# Allegro board PCIe3_0_X16_V1_0-166-20240802_20240828_pcb.brd (continued)
## Routing (per net, layer and track width the routed paths; a pad name or vN(x,y) marks a point on that pad's centre or on a via; arc(x,y) is an arc through that point) (continued)
  BOTTOM w0.203: v1(182.76,49.27) 183.12,48.91 R235.1
N17208468: length 1.8
  TOP w0.203: v1(182.76,30.22) 182.92,29.84 182.97,29.79 U27.5
  BOTTOM w0.254: R256.1 183.12,29.86 v1(182.76,30.22)
N17209058: length 1.8
  TOP w0.203: v1(201.14,37.51) 200.76,37.35 200.71,37.3 U26.5
  BOTTOM w0.254: v1(201.14,37.51) 200.78,37.15 R246.1
N17209416: length 1.7
  TOP w0.203: v1(201.14,68.89) 200.76,68.73 200.71,68.68 U29.5
  BOTTOM w0.254: R271.1 v1(201.14,68.89)
N17212197: length 3.9
  TOP w0.127: U1.C22 v1(91.32,66.23)
  BOTTOM w0.127: v1(91.32,66.23) 90.85,65.76 89.06,65.76 88.61,66.22 R34.1
N17212244: length 3.5
  TOP w0.127: U1.A27 v1(89.32,71.23)
  BOTTOM w0.127: v1(89.32,71.23) 89.8,71.7 91.81,71.7 R36.1
N17212562: length 2.1
  TOP w0.127: U1.L28 v1(99.32,72.23)
  BOTTOM w0.127: R43.1 98.72,71.62 v1(99.32,72.23)
N17212633: length 2.6
  TOP w0.127: U1.AF10 v1(115.32,53.23)
  BOTTOM w0.127: R58.1 116.83,53.75 115.84,53.75 v1(115.32,53.23)
N17212665: length 2
  TOP w0.127: U1.AG13 v1(116.32,56.23)
  BOTTOM w0.127: R60.1 115.59,56.23 v1(116.32,56.23)
N17212971: length 5
  TOP w0.127: U1.AJ18 v1(118.32,61.23)
  BOTTOM w0.127: R67.1 118.43,64.2 118.82,63.8 118.82,61.73 v1(118.32,61.23)
N17214535: length 2.1
  TOP w0.381: R301.2 174.31,108.03 Q4.3
N17215610: length 1.5
  TOP w0.127: U1.AJ28 v1(118.32,72.23)
  BOTTOM w0.127: R21.1 117.84,72.71 v1(118.32,72.23)
N17215747: length 1.5
  TOP w0.127: U3.3 R23.1
N17215756: length 4.6
  TOP w0.381: L3.1 C4.1 U3.4 116.22,90.87 R22.2
N17215758: length 1.8
  TOP w0.381: R22.1 116.31,89.43 U3.1
N17216836: length 2.4
  BOTTOM w0.305: U30.3 101.01,91.47 100.7,91.77 R273.2
N17239270: length 2.1
  BOTTOM w0.305: R109.1 R110.1 C154.2
N17239503: length 2.1
  BOTTOM w0.305: R151.1 R152.1 C243.2
N17243696: length 2.9
  TOP w0.127: U1.K15 v1(98.32,59.23)
  BOTTOM w0.127: v1(98.32,59.23) 97.76,59.78 97.26,60 96.71,60.54 R55.2
N17278385: length 2
  TOP w0.127: U1.D13 v1(93.32,56.23)
  BOTTOM w0.127: TP16.1 93.15,56.23 v1(93.32,56.23)
N17278388: length 1.8
  TOP w0.127: U1.D14 v1(92.32,58.23)
  BOTTOM w0.127: TP17.1 92.54,58.01 v1(92.32,58.23)
N17278391: length 2.2
  TOP w0.127: U1.D16 v1(92.32,59.23)
  BOTTOM w0.127: v1(92.32,59.23) 93.34,60.25 TP18.1
N17278416: length 3.1
  TOP w0.127: U1.C16 v1(91.32,59.23)
  BOTTOM w0.127: v1(91.32,59.23) 91.8,58.75 92.91,58.75 TP19.1
N17278419: length 1.6
  TOP w0.127: U1.B15 v1(90.32,58.23)
  BOTTOM w0.127: TP20.1 90.23,58.32 v1(90.32,58.23)
N17278433: length 1.5
  TOP w0.127: U1.J16 v1(98.32,60.23)
  BOTTOM w0.127: TP22.1 98.02,60.53 v1(98.32,60.23)
N17278487: length 3.9
  TOP w0.127: U1.B14 v1(90.32,57.23)
  BOTTOM w0.127: v1(90.32,57.23) 89.89,57.23 88.27,58.85 TP21.1
N17366227: length 63.1
  TOP w0.102: U23.14 105.3,98.72 105.4,98.63 105.7,98.63 105.97,98.35 105.97,97.21 106.07,97.1 106.3,97.1 106.4,97.21 v1(106.4,97.43)
  ART12 w0.084: v1(106.4,97.43) 106.74,97.09 107.73,97.09 112.5,92.33 120.02,92.33 120.42,91.92 125.57,91.92 126.2,92.19 130.24,92.19 130.65,92.6 131.45,92.6 v1(131.5,92.55)
  BOTTOM w0.102: C370.1 129.12,64.09 129.85,64.09 131.69,64.85 132.78,65.94 132.78,91.89 132.47,92.2 131.6,92.2 131.5,92.3 v1(131.5,92.55)
N17366241: length 63.1
  TOP w0.102: v1(106.4,96.55) 106.4,96.71 106.3,96.81 105.95,96.81 105.68,97.08 105.68,98.23 105.57,98.33 105.43,98.33 105.32,98.22 U23.13
  ART12 w0.084: v1(131.5,91.66) 131.27,91.66 131.26,91.65 130.65,91.65 130.46,91.84 126.27,91.84 125.63,91.58 120.28,91.58 119.87,91.98 112.35,91.98 108.99,95.35 108.87,95.35 108.75,95.23 108.63,95.23 108.52,95.34 108.52,95.46 108.64,95.58 108.64,95.7 108.52,95.82 108.4,95.82 108.28,95.7 108.16,95.7 108.04,95.82 108.04,95.94 108.16,96.06 108.16,96.18 108.04,96.29 107.92,96.29 107.8,96.17 107.69,96.17 107.57,96.29 107.57,96.41 107.69,96.53 107.69,96.65 107.59,96.75 106.6,96.75 v1(106.4,96.55)
  BOTTOM w0.102: v1(131.5,91.66) 131.75,91.91 132.35,91.91 132.49,91.77 132.49,66.07 131.53,65.1 129.79,64.38 129.1,64.38 C371.1

## Copper pours and planes (outline as drawn; the poured copper is in the pictures)
GND on TOP (solid shape): 17.45,103.21 17.45,101.72 17.12,101.39 12.83,101.39 12.52,101.69 12.52,103.16 12.62,103.27 17.4,103.27
GND on TOP (solid shape): 69.17,33.12 69.17,31.93 69.07,31.83 67.37,31.83 67.27,31.93 67.27,33.17 67.37,33.27 69.02,33.27
GND on TOP (solid shape): 78.34,33.07 78.34,31.93 78.22,31.8 76.82,31.8 76.75,31.87 76.75,33.13 76.82,33.2 78.22,33.2
GND on TOP (solid shape): 81.82,24.49 81.82,23.28 81.67,23.12 76.81,23.12 76.59,23.34 76.59,24.41 76.74,24.56 81.75,24.56
GND on TOP (solid shape): 84.39,30.35 84.39,29.39 84.29,29.29 82.61,29.29 82.51,29.39 82.51,30.4 82.56,30.45 84.29,30.45
GND on TOP (solid shape): 85.39,27.29 85.39,23.65 85.32,23.57 83.82,23.57 83.73,23.66 83.73,27.28 83.81,27.36 85.33,27.36
GND on TOP (solid shape): 89.75,25.98 89.75,22.94 89.6,22.78 88.73,22.78 88.63,22.89 88.63,25.92 88.85,26.14 89.6,26.14
GND on TOP (solid shape): 90.21,28.85 90.21,27.76 89.95,27.51 88.73,27.51 88.61,27.64 88.61,28.93 88.68,29.01 90.05,29.01
GND on TOP (solid shape): 138.67,100.89 138.67,99.49 138.54,99.36 135.49,99.36 135.37,99.49 135.37,100.89 135.49,101.02 138.54,101.02
GND on TOP (solid shape): 168,106.77 168,104.23 167.82,104.05 165.66,104.05 165.58,104.13 165.58,106.77 165.68,106.87 167.89,106.87
GND on TOP (solid shape): 176.76,108.45 176.76,106.72 176.61,106.57 175.39,106.57 175.31,106.64 175.31,108.45 175.46,108.6 176.61,108.6
GND on TOP (solid shape): 184.26,101.22 184.44,101.22 184.56,101.11 184.56,99.33 184.51,99.28 182.85,99.28 182.65,99.48 182.65,101.16 182.73,101.23 184.25,101.23
GND on TOP (solid shape): 49.91,76.34 49.91,74.41 49.86,74.36 48.79,74.36 48.55,74.6 44.54,74.6 44.27,74.87 44.27,76.52 44.42,76.67 49.58,76.67
GND on TOP (solid shape): 49.91,62.09 49.91,60.16 49.86,60.11 48.79,60.11 48.55,60.35 44.54,60.35 44.27,60.62 44.27,62.27 44.42,62.42 49.58,62.42
GND on TOP (solid shape): 49.91,47.84 49.91,45.91 49.86,45.86 48.79,45.86 48.55,46.1 44.54,46.1 44.27,46.37 44.27,48.02 44.42,48.17 49.58,48.17
GND on TOP (solid shape): 49.91,33.88 49.91,31.66 49.86,31.61 48.79,31.61 48.55,31.85 44.54,31.85 44.53,31.86 44.01,31.86 43.87,32 43.87,33.96 44.02,34.11 49.68,34.11
GND on TOP (solid shape): 80.02,32.86 80.02,27.25 79.91,27.14 78.57,27.14 78.28,27.44 78.28,30.03 78.64,30.39 78.64,32.94 78.79,33.1 79.78,33.1
GND on TOP (solid shape): 50.34,40.86 50.34,38.42 50.18,38.25 45.43,38.25 45.31,38.37 45.31,39.84 45.54,40.07 48.13,40.07 48.25,40.18 50.06,40.18 50.06,40.56 49.58,40.56 49.58,40.18 48.25,40.18 48.36,40.3 48.36,40.83 48.51,40.98 50.22,40.98
GND on TOP (solid shape): 134.67,30.67 134.67,27.34 134.86,27.15 135.3,27.15 135.52,26.92 135.52,25.88 135.45,25.81 131.88,25.81 131.67,26.01 131.67,26.19 135.13,26.19 135.13,26.57 134.77,26.57 134.77,26.19 131.67,26.19 131.67,30.66 131.83,30.81 134.53,30.81
GND on TOP (solid shape): 50.34,69.36 50.34,66.92 50.14,66.72 45.36,66.72 45.24,66.84 45.24,68.32 45.49,68.57 48.13,68.57 48.22,68.66 50.09,68.66 50.09,69.04 49.68,69.04 49.68,68.66 48.22,68.66 48.36,68.8 48.36,69.33 48.51,69.48 50.22,69.48
GND on TOP (solid shape): 50.34,55.11 50.34,52.67 50.14,52.47 45.44,52.47 45.31,52.59 45.31,53.99 45.64,54.32 48.13,54.32 48.22,54.41 50.04,54.41 50.04,54.79 49.63,54.79 49.63,54.41 48.22,54.41 48.36,54.55 48.36,55.08 48.51,55.23 50.22,55.23
GND on TOP (solid shape): 140.7,106.76 140.7,105.46 140.57,105.33 134.61,105.33 134.48,105.46 133.84,105.46 133.54,105.16 133.54,102.11 133.59,102.06 133.59,99.36 133.46,99.24 132.07,99.24 131.89,99.42 131.89,99.77 133.17,99.77 133.17,100.05 132.92,100.05 132.92,99.77 131.89,99.77 131.89,100.79 133.22,100.79 133.22,101.04 132.94,101.04 132.94,100.79 131.89,100.79 131.89,105.92 132.59,105.92 132.59,106.27 132.26,106.27 132.26,105.92 131.89,105.92 131.89,106.67 132.28,107.06 140.4,107.06
GND on TOP (solid shape): 186.54,66.57 186.54,56.85 186.21,56.52 184.31,56.52 184.18,56.64 184.18,60.86 184.38,61.07 185.6,61.07 185.81,61.27 185.81,63.02 185.43,63.39 179.23,63.39 178.74,62.91 178.74,60.25 178.51,60.02 175.49,60.02 175.29,59.82 175.29,57.28 175.09,57.08 168.63,57.08 168.43,57.28 168.43,59 168.88,59.45 168.88,60.48 177.16,60.48 177.16,60.78 176.83,60.78 176.83,60.48 168.88,60.48 168.88,62.08 168.43,62.53 168.43,66.21 168.91,66.69 186.42,66.69
GND on TOP (solid shape): 87.92,104.72 87.92,103.23 87.93,103.21 87.93,103.14 88.07,103 88.5,103 88.68,102.82 88.68,97.13 88.66,97.1 87.82,97.1 87.39,97.54 88.36,97.54 88.36,97.84 88.08,97.84 88.08,97.54 87.39,97.54 86.9,98.02 88.39,98.02 88.39,98.4 88.11,98.4 88.11,98.02 86.9,98.02 86.76,98.16 82.53,98.16 82.27,98.42 82.27,99.01 88.41,99.01 88.41,99.42 88.06,99.42 88.06,99.01 82.27,99.01 82.27,100.05 88.36,100.05 88.36,100.38 88.01,100.38 88.01,100.05 82.27,100.05 82.27,104.52 82.52,104.78 87.87,104.78
GND on TOP (solid shape): 50.34,26.61 50.34,25.5 50.85,24.99 50.85,24.97 51.1,24.71 51.1,22.4 52.2,21.31 52.2,21.28 52.19,21.26 52.15,20.99 52.27,20.74 52.27,19.82 52.14,19.5 52.27,19.18 52.27,17.81 52.1,17.63 50.55,17.63 50.42,17.75 50.42,20.8 49.53,21.69 45.64,21.69 45.34,22 45.34,25.62 45.54,25.82 48.13,25.82 48.36,26.05 48.36,26.58 48.51,26.73 50.22,26.73
GND on TOP (solid shape): 51.46,78.83 0.97,78.83 0.97,98.92 34.49,98.92 34.49,80.53 34.85,80.18 37.46,80.18 37.5,80.16 37.59,80.12 37.68,80.1 37.78,80.08 37.88,80.07 37.97,80.06 38.07,80.07 38.17,80.08 38.26,80.1 38.35,80.12 38.44,80.16 38.49,80.18 49.14,80.18 49.14,81.58 50.54,81.58 50.54,97.78 49.24,97.78 49.24,99.18 49.14,99.18 49.14,99.19 49.08,99.18 38.51,99.18 38.47,99.2 38.37,99.24 38.27,99.27 38.17,99.29 38.07,99.3 37.97,99.3 37.87,99.3 37.77,99.29 37.67,99.27 37.57,99.24 37.48,99.2 37.43,99.18 34.75,99.18 34.49,98.92 0.97,98.92 0.97,100.71 1.02,100.75 51.46,100.75
GND on TOP (solid shape): 186.54,47.4 186.54,37.67 186.21,37.34 184.31,37.34 184.18,37.47 184.18,41.69 184.38,41.89 185.6,41.89 185.81,42.09 185.81,43.84 185.43,44.21 178.91,44.21 178.52,43.82 178.52,43.12 178.16,42.67 178.52,42.23 178.52,40.9 178.5,40.88 178.5,40.73 178.49,40.72 177.77,40.72 177.57,40.92 175.57,40.92 175.29,40.64 175.29,38.1 175.09,37.9 172.83,37.9 172.55,38.18 172.55,46.07 173.99,47.52 186.42,47.52
GND on TOP (solid shape): 99.35,104.72 99.35,103.23 99.36,103.21 99.36,103.14 99.5,103 99.93,103 100.11,102.82 100.11,97.13 100.09,97.1 99.25,97.1 98.89,97.47 98.89,97.54 99.8,97.54 99.8,97.87 99.49,97.87 99.49,97.54 98.89,97.54 98.89,97.91 98.58,98.22 97.23,98.22 96.9,98.55 99.8,98.55 99.8,98.86 99.52,98.86 99.52,98.55 96.9,98.55 96.81,98.64 96.81,99.57 99.8,99.57 99.8,99.82 99.54,99.82 99.54,99.57 96.81,99.57 96.81,100.56 99.8,100.56 99.8,100.89 99.47,100.89 99.47,100.56 96.81,100.56 96.81,101.6 99.82,101.6 99.82,101.93 99.47,101.93 99.47,101.6 96.81,101.6 96.81,104.7 96.89,104.78 99.3,104.78
GND on TOP (solid shape): 199.39,46.27 199.39,33.85 199.27,33.73 189.54,33.73 189.21,34.06 189.21,35.96 189.34,36.09 193.55,36.09 193.76,35.89 193.76,34.66 193.96,34.46 195.71,34.46 196.08,34.84 196.08,41.36 195.69,41.75 194.65,41.75 194.65,41.78 194.63,41.85 194.61,41.9 194.58,41.96 194.54,42.01 194.5,42.05 194.45,42.09 194.39,42.12 194.34,42.15 194.28,42.16 194.21,42.17 194.15,42.17 194.09,42.16 194.03,42.15 193.97,42.12 193.92,42.09 193.87,42.05 193.82,42.01 193.79,41.96 193.76,41.9 193.73,41.85 193.72,41.78 193.72,41.75 192.76,41.75 192.71,41.8 192.71,43.63 193.43,43.63 193.43,43.91 193.13,43.91 193.13,43.63 192.71,43.63 192.71,44.78 192.51,44.98 189.97,44.98 189.77,45.18 189.77,47.44 190.05,47.72 197.94,47.72
GND on TOP (solid shape): 186.54,28.35 186.54,18.12 186.31,17.89 184.38,17.89 184.18,18.09 184.18,22.64 184.38,22.84 185.6,22.84 185.81,23.04 185.81,24.79 185.43,25.16 178.91,25.16 178.52,24.77 178.52,24.08 178.49,24.08 178.43,24.06 178.37,24.03 178.33,23.99 178.28,23.95 178.24,23.91 178.21,23.86 178.18,23.8 178.16,23.74 178.15,23.68 178.15,23.62 178.15,23.56 178.16,23.5 178.18,23.45 178.21,23.39 178.24,23.34 178.28,23.29 178.33,23.25 178.37,23.22 178.43,23.19 178.49,23.17 178.52,23.16 178.52,21.85 178.46,21.79 175.49,21.79 175.29,21.59 175.29,19.05 175.09,18.85 172.83,18.85 172.55,19.13 172.55,22.26 177.19,22.26 177.19,22.56 176.84,22.56 176.84,22.26 172.55,22.26 172.55,27.02 173.99,28.47 186.42,28.47
GND on TOP (solid shape): 186.54,88.93 186.54,78.85 186.28,78.59 184.25,78.59 184.18,78.66 184.18,83.21 184.38,83.42 185.6,83.42 185.81,83.62 185.81,85.37 185.43,85.74 179.23,85.74 178.82,85.34 178.82,82.55 178.64,82.37 175.49,82.37 175.29,82.17 175.29,78.94 174.78,78.42 166.42,78.42 166.34,78.5 166.34,80.61 166.55,80.81 168.33,80.81 168.88,81.37 168.88,82.78 178.49,82.78 178.49,83.08 178.05,83.08 178.05,82.78 176.66,82.78 176.66,83.16 176.2,83.16 176.2,82.78 168.88,82.78 168.88,83.77 178.44,83.77 178.44,84.12 178.08,84.12 178.08,83.77 168.88,83.77 168.88,84.38 168.43,84.83 168.43,88.56 168.91,89.05 186.42,89.05
GND on TOP (solid shape): 141.2,24.33 141.2,22.02 140.82,21.64 138.38,21.64 138.34,21.68 138.34,21.72 138.3,21.72 136.33,21.72 136.33,21.72 134.51,21.72 134.43,21.79 134.43,21.92 139.13,21.92 139.13,22.2 138.32,22.2 138.32,21.92 134.43,21.92 134.43,22.43 139.13,22.43 139.13,22.71 138.29,22.71 138.29,22.43 134.43,22.43 134.43,22.94 139.11,22.94 139.11,23.19 138.32,23.19 138.32,22.94 134.43,22.94 134.43,23.44 139.13,23.44 139.13,23.7 138.32,23.7 138.32,23.44 134.43,23.44 134.43,23.93 139.13,23.93 139.13,24.18 138.32,24.18 138.32,23.93 134.43,23.93 134.43,24.38 134.46,24.41 135.85,24.41 135.85,24.41 138.17,24.41 138.34,24.41 138.34,24.43 138.37,24.46 141.07,24.46
GND on TOP (solid shape): 199.39,77.66 199.39,65.38 199.1,65.09 189.59,65.09 189.21,65.47 189.21,67.35 189.34,67.47 193.55,67.47 193.76,67.27 193.76,66.05 193.96,65.85 195.71,65.85 196.08,66.22 196.08,72.74 195.69,73.14 195,73.14 195,73.17 194.97,73.22 194.95,73.28 194.91,73.33 194.87,73.37 194.83,73.41 194.77,73.45 194.72,73.47 194.66,73.49 194.6,73.5 194.54,73.51 194.48,73.5 194.42,73.49 194.37,73.47 194.31,73.45 194.26,73.41 194.21,73.37 194.17,73.33 194.14,73.28 194.11,73.22 194.09,73.17 194.08,73.14 192.76,73.14 192.71,73.19 192.71,73.67 193.6,73.67 193.6,74.03 193.19,74.03 193.19,73.67 192.71,73.67 192.71,74.43 193.55,74.43 193.55,74.84 193.07,74.84 193.07,74.43 192.71,74.43 192.71,76.16 192.51,76.36 189.97,76.36 189.77,76.57 189.77,78.83 190.05,79.11 197.94,79.11
GND on TOP (solid shape): 94.88,108.36 94.88,103.07 94.3,102.49 92.44,102.49 92.36,102.57 92.36,102.66 92.69,102.99 92.7,103.05 92.72,103.07 92.74,103.07 93.48,103.07 93.71,103.3 93.71,104.85 94.57,104.85 94.57,105.21 94.27,105.21 94.27,104.85 93.71,104.85 93.71,105.59 94.66,105.59 94.71,105.64 94.71,107.42 94.6,107.53 94.61,107.56 94.61,107.62 94.61,107.68 94.6,107.74 94.59,107.8 94.57,107.85 94.54,107.9 94.5,107.95 94.46,107.99 94.41,108.03 94.36,108.06 94.31,108.09 94.25,108.1 94.19,108.11 94.13,108.12 94.07,108.11 94.03,108.1 90.51,108.1 90.49,108.08 90.49,104.34 90.64,104.19 91.23,104.19 91.26,104.18 91.27,104.17 91.28,104.14 91.28,103.58 90.95,103.24 90.95,102.87 90.84,102.77 90.11,102.77 89.96,102.92 89.96,108.64 90.16,108.84 94.4,108.84
GND on TOP (solid shape): 121.64,93.28 121.64,90.4 121.93,90.11 121.93,87.91 121.61,87.59 118.34,87.59 117.79,88.14 115.96,88.14 115.22,88.88 115.22,91.14 115.45,91.14 115.45,89.26 115.99,88.72 118.76,88.72 118.83,88.8 118.83,89.84 118.88,89.89 120.05,89.89 120.25,89.69 120.25,88.52 120.24,88.48 120.23,88.42 120.23,88.36 120.24,88.3 120.25,88.26 120.25,88.09 120.36,87.99 121.3,87.99 121.42,88.11 121.42,92.61 121.42,92.64 121.42,92.7 121.41,92.76 121.38,92.82 121.36,92.87 121.32,92.92 121.28,92.96 121.24,93 121.19,93.04 121.13,93.06 121.07,93.08 121.01,93.09 120.96,93.09 120.74,93.32 117.13,93.32 116.98,93.17 116.98,91.74 116.6,91.36 115.68,91.36 115.45,91.14 115.22,91.14 115.22,92.15 116.7,92.15 116.7,92.51 116.32,92.51 116.32,92.15 115.22,92.15 115.22,93.38 115.66,93.81 121.11,93.81
GND on TOP (solid shape): 41.66,73.93 40.51,73.93 40.39,74.06 40.39,76.19 40.31,76.27 25.83,76.27 25.78,76.21 25.78,64.33 25.88,64.23 40.28,64.23 40.44,64.38 40.44,67.17 41.53,67.17 41.61,67.1 41.61,59.6 40.51,59.6 40.46,59.65 40.46,61.89 40.34,62.02 25.93,62.02 25.78,61.86 25.78,50.1 25.88,50 40.34,50 40.46,50.13 40.46,52.87 40.51,52.92 41.53,52.92 41.63,52.82 41.63,45.48 41.58,45.43 40.51,45.43 40.41,45.53 40.41,47.67 40.31,47.77 25.88,47.77 25.78,47.67 25.78,35.83 25.88,35.73 40.23,35.73 40.39,35.88 40.39,38.65 40.41,38.67 41.5,38.67 41.58,38.6 41.58,31.16 41.53,31.1 40.46,31.1 40.41,31.16 40.41,33.36 40.26,33.52 25.93,33.52 25.78,33.36 25.78,21.55 25.91,21.43 40.26,21.43 40.44,21.6 40.44,24.37 41.53,24.37 41.53,19.22 41.43,19.12 0.89,19.12 0.66,19.34 0.66,78.25 0.79,78.37 41.66,78.37
GND on TOP (solid shape): 142.49,18.41 142.49,15.57 142.32,15.39 133.73,15.39 133.25,15.88 133.25,18.14 133.26,18.16 133.27,18.18 133.3,18.19 134.06,18.19 134.07,18.19 134.1,18.18 134.13,18.16 134.15,18.14 134.16,18.11 134.16,18.08 134.15,18.04 134.15,17.98 134.16,17.92 134.17,17.86 134.19,17.8 134.21,17.75 134.25,17.7 134.29,17.66 134.33,17.62 134.38,17.59 134.44,17.56 134.49,17.54 134.55,17.53 134.61,17.53 134.67,17.53 134.73,17.54 134.78,17.56 134.84,17.59 134.89,17.62 134.93,17.66 134.97,17.7 135,17.75 135.03,17.8 135.05,17.86 135.06,17.92 135.07,17.98 135.06,18.04 135.06,18.08 135.06,18.11 135.07,18.14 135.09,18.16 135.12,18.18 135.14,18.19 135.16,18.19 135.79,18.19 135.86,18.11 135.86,17.68 136.17,17.37 140.54,17.37 140.89,17.73 142.09,17.73 142.09,18.01 141.81,18.01 141.81,17.73 140.89,17.73 140.92,17.75 140.92,18.36 141.05,18.49 142.42,18.49
GND on TOP (solid shape): outline of 858 points within 63.09,3.59 212.16,110.52
GND on BOTTOM (solid shape): 193.15,67.19 193.15,65.52 193.03,65.4 189.21,65.4 189.21,67.35 189.34,67.47 192.87,67.47
GND on BOTTOM (solid shape): 69.07,32.94 69.07,31.93 68.95,31.8 67.42,31.8 67.3,31.93 67.3,32.94 67.42,33.07 68.95,33.07
GND on BOTTOM (solid shape): 78.47,33.07 78.47,31.93 78.34,31.8 76.82,31.8 76.75,31.87 76.75,33.13 76.82,33.2 78.34,33.2
GND on BOTTOM (solid shape): 85.45,27.1 85.45,25.17 85.27,24.99 83.9,24.99 83.74,25.15 83.74,27.08 83.97,27.3 85.24,27.3
GND on BOTTOM (solid shape): 93.08,99.75 93.08,98.12 92.92,97.97 91.32,97.97 91.17,98.12 91.17,99.77 91.3,99.9 92.92,99.9
GND on BOTTOM (solid shape): 104.51,99.75 104.51,98.22 104.38,98.09 102.68,98.09 102.6,98.17 102.6,99.77 102.73,99.9 104.35,99.9
GND on BOTTOM (solid shape): 32.72,100.43 32.72,79.21 32.33,78.83 0.97,78.83 0.97,100.71 1.02,100.75 32.39,100.75
GND on BOTTOM (solid shape): 42.51,91.75 42.51,90.68 42.09,90.26 38.3,90.26 38.23,90.34 38.23,91.99 38.28,92.04 42.21,92.04
GND on BOTTOM (solid shape): 186.26,22.11 186.26,18.29 186.02,18.06 184.33,18.06 184.18,18.21 184.18,21.95 184.42,22.19 186.18,22.19
GND on BOTTOM (solid shape): 98.5,96.65 98.5,95.17 98.32,95 97.16,95 97.1,95.05 97.1,96.47 97.36,96.72 98.42,96.72
GND on BOTTOM (solid shape): 112.23,94.26 112.23,93.68 112.22,93.66 112.22,92.65 110.81,91.24 107.5,91.24 107.38,91.36 107.38,94.61 107.5,94.74 111.75,94.74
GND on BOTTOM (solid shape): 186.26,60.5 186.26,56.52 184.31,56.52 184.18,56.64 184.18,60.17 184.18,60.18 184.18,60.55 184.26,60.62 186.13,60.62
GND on BOTTOM (solid shape): 186.26,41.42 186.26,37.34 184.31,37.34 184.18,37.47 184.18,41 184.18,41 184.18,41.42 184.32,41.55 186.12,41.55
GND on BOTTOM (solid shape): 193.37,36.01 193.37,34.13 193.25,34.01 189.35,34.01 189.21,34.16 189.21,35.96 189.34,36.09 193.29,36.09
GND on BOTTOM (solid shape): 42.55,96.15 42.55,95.04 42.44,94.93 39.9,94.93 39.75,95.09 39.75,96.23 39.83,96.31 42.39,96.31
GND on BOTTOM (solid shape): 119.47,109.09 119.47,107.31 119.26,107.11 117.13,107.11 116.27,106.25 115.07,106.25 114.97,106.35 114.97,109.15 115.16,109.35 119.21,109.35
GND on BOTTOM (solid shape): 186.26,82.69 186.26,78.73 186.08,78.55 184.3,78.55 184.18,78.67 184.18,82.53 184.46,82.81 186.14,82.81
GND on BOTTOM (solid shape): 113.5,90.2 113.5,82.15 113.39,82.04 111.19,82.04 111.16,82.07 111.16,84.88 111,85.04 109.93,85.04 109.65,85.32 109.65,89.46 109.7,89.51 111.67,89.51 112.43,90.27 113.42,90.27
GND on BOTTOM (solid shape): 86.04,69.14 86.04,64.34 84.11,62.41 82.89,62.41 82.74,62.56 82.74,64.24 82.94,64.44 83.45,64.44 83.56,64.55 83.56,67.7 83.42,67.84 82.56,67.84 82.48,67.92 82.48,69.19 82.64,69.34 85.84,69.34
GND on BOTTOM (solid shape): 39.75,85.41 39.75,84.72 39.78,84.7 41.5,84.7 41.73,84.47 41.73,83 41.4,82.67 38.58,82.67 38.3,82.95 38.3,84.75 38.99,84.75 38.99,85.03 38.68,85.03 38.68,84.75 38.3,84.75 38.3,85.39 38.46,85.54 39.62,85.54
GND on BOTTOM (solid shape): 101.84,93.8 101.84,88.16 102.73,87.27 102.73,86.18 102.6,86.06 101.73,86.06 101.61,86.17 101.61,88.42 101.2,88.82 99.81,88.82 99.73,88.9 99.73,90.96 99.76,90.98 100.11,90.98 100.29,90.81 100.29,89.76 100.44,89.61 101.51,89.61 101.56,89.66 101.56,91.92 101.08,92.41 100.34,92.41 100.21,92.53 100.21,94.11 100.29,94.18 101.46,94.18
GND on BOTTOM (solid shape): 135.92,63.14 135.92,60.96 135.78,60.82 135.62,60.82 135.23,61.21 134.26,61.21 134.04,60.99 134.04,59.64 134.14,59.54 135.21,59.54 135.27,59.49 135.27,57.29 133.49,55.51 133.49,52.84 131.55,50.9 128.14,50.9 128.02,51.03 128.02,51.59 128.3,51.87 130.56,51.87 130.77,52.08 130.77,56.82 131.28,57.33 131.28,59.08 130.67,59.69 130.67,61.7 134.59,61.7 134.59,62.1 134.24,62.1 134.24,61.7 130.67,61.7 130.67,62.76 131.23,63.32 135.74,63.32
GND on BOTTOM (solid shape): 49.26,92.52 49.37,92.53 49.39,92.52 49.48,92.43 49.48,91.82 49.3,91.64 47.14,91.64 46.93,91.43 46.93,89.14 44.63,86.84 43.84,86.84 43.78,86.91 43.78,87.34 43.87,87.43 44.27,87.43 45.34,88.49 45.34,89.07 45.36,89.1 45.36,89.89 45.34,89.92 45.34,90.22 44.45,91.11 44.44,91.13 44.33,91.37 44.09,91.48 44.08,91.48 43.84,91.72 43.84,91.95 43.97,92.08 45.59,92.08 47,92.53 49.16,92.53
GND on BOTTOM (solid shape): 185.91,47.93 185.91,43.54 185.88,43.51 185.73,43.51 185.73,43.51 178.95,43.51 178.93,43.5 178.2,43.5 177.73,43.03 177.73,41.53 176.97,40.77 175.49,40.77 175.29,40.57 175.29,38.13 175.19,38.03 172.7,38.03 172.55,38.18 172.55,43.84 183.52,43.84 183.52,43.87 185.58,43.87 185.58,44.12 185.27,44.12 185.27,43.87 184.54,43.87 184.54,44.15 184.23,44.15 184.23,43.87 183.52,43.87 183.52,44.15 183.21,44.15 183.21,43.84 172.55,43.84 172.55,44.15 181.61,44.15 181.61,44.43 181.21,44.43 181.21,44.15 172.55,44.15 172.55,46.06 173.88,47.4 185.3,47.4 185.3,47.7 184.99,47.7 184.99,47.4 173.88,47.4 174.48,47.99 185.85,47.99
GND on BOTTOM (solid shape): 99.93,82.05 99.93,82.04 99.99,81.95 100.07,81.88 100.08,81.86 100.09,81.84 100.09,81.62 100.08,81.6 100.07,81.58 99.92,81.39 99.9,81.15 99.89,81.12 99.88,81.1 99.45,80.67 97.75,80.67 97.7,80.72 97.7,81.02 97.75,81.22 97.7,81.43 97.7,81.44 97.7,81.61 97.75,81.66 99.05,81.66 99.19,81.8 99.21,81.81 99.22,81.81 99.52,81.84 99.72,82.06 99.74,82.08 99.77,82.09 99.88,82.09
GND on BOTTOM (solid shape): 185.91,28.88 185.91,24.49 185.88,24.46 185.73,24.46 185.73,24.46 178.95,24.46 178.93,24.45 178.2,24.45 177.73,23.98 177.73,22.48 176.97,21.72 175.49,21.72 175.29,21.52 175.29,19.08 175.19,18.98 172.7,18.98 172.55,19.13 172.55,24.79 183.52,24.79 183.52,24.82 185.58,24.82 185.58,25.07 185.27,25.07 185.27,24.82 184.54,24.82 184.54,25.1 184.23,25.1 184.23,24.82 183.52,24.82 183.52,25.1 183.21,25.1 183.21,24.79 172.55,24.79 172.55,25.1 181.61,25.1 181.61,25.38 181.21,25.38 181.21,25.1 172.55,25.1 172.55,27.01 173.86,28.33 183.04,28.33 183.04,28.35 185.3,28.35 185.3,28.65 184.99,28.65 184.99,28.35 183.04,28.35 183.04,28.63 182.71,28.63 182.71,28.33 173.86,28.33 174.48,28.94 185.85,28.94
GND on BOTTOM (solid shape): 199.86,77.18 199.86,65.81 199.8,65.75 195.41,65.75 195.38,65.77 195.38,65.92 195.38,65.92 195.38,66.08 195.99,66.08 195.99,66.36 199.57,66.36 199.57,66.66 199.27,66.66 199.27,66.36 195.99,66.36 195.99,66.38 195.74,66.38 195.74,66.08 195.38,66.08 195.38,67.12 196.02,67.12 196.02,67.42 195.74,67.42 195.74,67.12 195.38,67.12 195.38,68.13 196.02,68.13 196.02,68.44 199.57,68.44 199.57,68.82 199.24,68.82 199.24,68.44 195.71,68.44 195.71,68.13 195.38,68.13 195.38,70.04 196.3,70.04 196.3,70.44 196.02,70.44 196.02,70.04 195.38,70.04 195.38,72.71 195.37,72.72 195.37,73.45 194.9,73.92 193.4,73.92 192.64,74.69 192.64,76.16 192.43,76.36 190,76.36 189.89,76.46 189.89,78.95 190.05,79.11 197.93,79.11
GND on BOTTOM (solid shape): 199.86,45.79 199.86,34.42 199.8,34.36 195.41,34.36 195.38,34.39 195.38,34.54 195.38,34.54 195.38,34.69 195.99,34.69 195.99,34.97 199.57,34.97 199.57,35.28 199.27,35.28 199.27,34.97 195.99,34.97 195.99,35 195.74,35 195.74,34.69 195.38,34.69 195.38,35.73 196.02,35.73 196.02,36.04 195.74,36.04 195.74,35.73 195.38,35.73 195.38,36.75 199.53,36.75 199.53,37.03 199.27,37.03 199.27,36.75 196.02,36.75 196.02,37.05 195.71,37.05 195.71,36.75 195.38,36.75 195.38,38.65 196.3,38.65 196.3,39.06 196.02,39.06 196.02,38.65 195.38,38.65 195.38,41.32 195.37,41.34 195.37,42.07 194.9,42.54 193.4,42.54 192.64,43.3 192.64,44.78 192.43,44.98 190,44.98 189.89,45.08 189.89,47.57 190.05,47.72 197.93,47.72
